# KiCad board keyboard.kicad_pcb (continued)
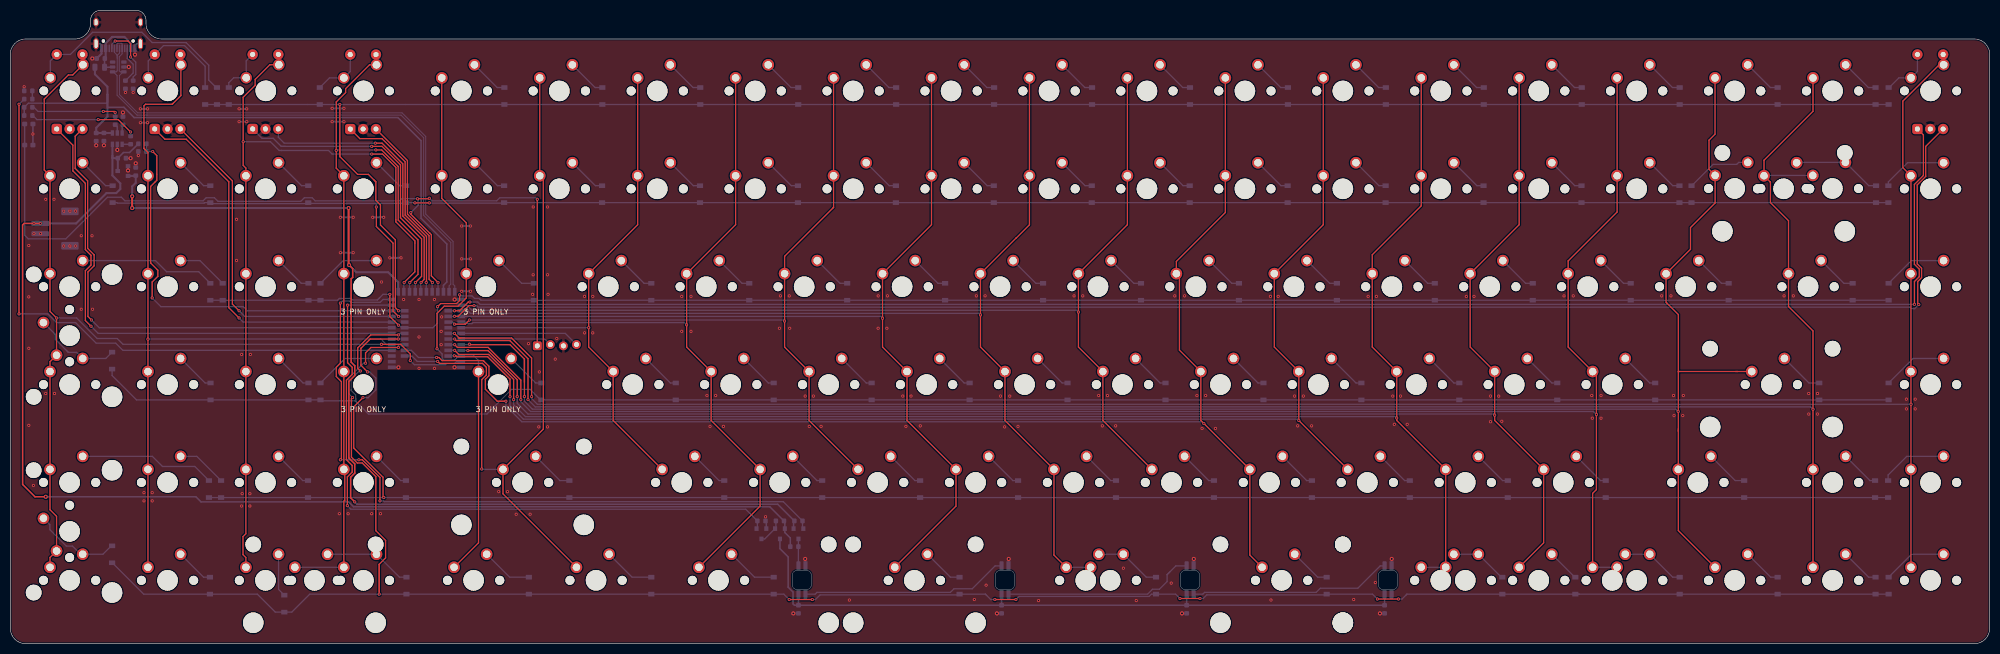
[diagram p0: board, top side]
## Routing (per net, layer and track width the routed paths; a pad name or vN(x,y) marks a point on that pad's centre or on a via; arc(x,y) is an arc through that point) (continued)
Net-(D_28-Pad2): length 7.6
  Bottom w0.25: D_28.2 170.94,89.15 K_28.2
Net-(D_29-Pad2): length 7.6
  Bottom w0.25: D_29.2 190,89.15 K_29.2
Net-(D_30-Pad2): length 7.6
  Bottom w0.25: K_30.2 209.05,89.15 D_30.2
Net-(D_31-Pad2): length 7.6
  Bottom w0.25: K_31.2 228.1,89.15 D_31.2
Net-(D_32-Pad2): length 7.6
  Bottom w0.25: D_32.2 247.14,89.15 K_32.2
Net-(D_33-Pad2): length 7.6
  Bottom w0.25: D_33.2 266.19,89.15 K_33.2
Net-(D_34-Pad2): length 7.6
  Bottom w0.25: D_34.2 285.25,89.15 K_34.2
Net-(D_35-Pad2): length 7.6
  Bottom w0.25: D_35.2 304.3,89.15 K_35.2
Net-(D_36-Pad2): length 7.6
  Bottom w0.25: K_36.2 323.35,89.15 D_36.2
Net-(D_37-Pad2): length 18.7
  Bottom w0.25: K_116.2 347.51,93.68 K_37.2 ; K_116.2 357.91,92.71 ; K_116.2 361.47,89.15 D_37.2
Net-(D_38-Pad2): length 13
  Bottom w0.25: K_38.2 369.02,93.62 365.29,89.89 D_38.2
Net-(D_39-Pad2): length 26.7
  Bottom w0.25: D_39.2 36.65,72.4 30.4,72.4 28.23,74.57 K_39.2
Net-(D_40-Pad2): length 17.7
  Bottom w0.25: K_40.2 8.75,60.21 8.75,59.25 11.3,56.7 ; 11.3,56.7 11.05,56.95 ; 11.3,56.7 12.89,56.7 K_59.2 18.57,55.52 D_40.2
Net-(D_41-Pad2): length 10
  Bottom w0.25: K_41.2 36.9,74.57 D_41.2
Net-(D_42-Pad2): length 7.7
  Bottom w0.25: K_42.2 56.59,70.15 D_42.2
Net-(D_43-Pad2): length 12.7
  Bottom w0.25: D_43.2 64.75,74.57 K_43.2
Net-(D_44-Pad2): length 8.6
  Bottom w0.25: D_44.2 99.46,70.15 K_44.2
Net-(D_45-Pad2): length 7.7
  Bottom w0.25: K_45.2 123.27,70.15 D_45.2
Net-(D_46-Pad2): length 7.7
  Bottom w0.25: D_46.2 142.32,70.15 K_46.2
Net-(D_47-Pad2): length 7.7
  Bottom w0.25: D_47.2 161.37,70.15 K_47.2
Net-(D_48-Pad2): length 7.7
  Bottom w0.25: D_48.2 180.42,70.15 K_48.2
Net-(D_49-Pad2): length 7.7
  Bottom w0.25: D_49.2 199.47,70.15 K_49.2
Net-(D_50-Pad2): length 7.7
  Bottom w0.25: K_50.2 218.52,70.15 D_50.2
Net-(D_51-Pad2): length 7.7
  Bottom w0.25: D_51.2 237.57,70.15 K_51.2
Net-(D_52-Pad2): length 7.7
  Bottom w0.25: D_52.2 256.62,70.15 K_52.2
Net-(D_53-Pad2): length 7.7
  Bottom w0.25: K_53.2 275.67,70.15 D_53.2
Net-(D_54-Pad2): length 7.7
  Bottom w0.25: D_54.2 294.72,70.15 K_54.2
Net-(D_55-Pad2): length 7.7
  Bottom w0.25: K_55.2 313.77,70.15 D_55.2
Net-(D_56-Pad2): length 7.7
  Bottom w0.25: D_56.2 332.82,70.15 K_56.2
Net-(D_57-Pad2): length 8
  Bottom w0.25: K_57.2 356.63,70.15 D_57.2
Net-(D_58-Pad2): length 12.5
  Bottom w0.25: K_58.2 369.75,74.57 D_58.2
Net-(D_59-Pad2): length 12.8
  Bottom w0.25: D_59.2 327.05,89.15 331.2,93.3 335.8,93.3 336.18,93.68 K_117.2
Net-(D_60-Pad2): length 7.8
  Bottom w0.25: D_60.2 37.9,50.75 K_60.2
Net-(D_61-Pad2): length 7.8
  Bottom w0.25: K_61.2 56.94,50.75 D_61.2
Net-(D_62-Pad2): length 12.9
  Bottom w0.25: D_62.2 65.1,55.52 K_62.2
Net-(D_63-Pad2): length 7.9
  Bottom w0.25: D_63.2 102.19,50.75 K_63.2
Net-(D_64-Pad2): length 7.8
  Bottom w0.25: D_64.2 128.38,50.75 123.62,55.52
Net-(D_65-Pad2): length 7.8
  Bottom w0.25: K_65.2 147.43,50.75 D_65.2
Net-(D_66-Pad2): length 7.8
  Bottom w0.25: 161.71,55.52 166.48,50.75 D_66.2
Net-(D_67-Pad2): length 7.8
  Bottom w0.25: 180.76,55.52 185.53,50.75 D_67.2
Net-(D_68-Pad2): length 7.8
  Bottom w0.25: K_68.2 204.58,50.75 D_68.2
Net-(D_69-Pad2): length 7.8
  Bottom w0.25: K_69.2 223.63,50.75 D_69.2
Net-(D_70-Pad2): length 7.8
  Bottom w0.25: K_70.2 242.68,50.75 D_70.2
Net-(D_71-Pad2): length 7.8
  Bottom w0.25: 256.96,55.52 261.73,50.75 D_71.2
Net-(D_72-Pad2): length 7.8
  Bottom w0.25: D_72.2 280.78,50.75 K_72.2
Net-(D_73-Pad2): length 7.8
  Bottom w0.25: D_73.2 299.83,50.75 K_73.2
Net-(D_74-Pad2): length 7.8
  Bottom w0.25: K_74.2 318.88,50.75 D_74.2
Net-(D_75-Pad2): length 8.7
  Bottom w0.25: K_75.2 349.84,50.75 D_75.2
Net-(D_76-Pad2): length 12.7
  Bottom w0.25: D_76.2 370.11,55.52 K_76.2
Net-(D_77-Pad2): length 26.5
  Bottom w0.25: K_77.2 27.63,36.47 29.6,34.5 35.89,34.5 D_77.2
Net-(D_78-Pad2): length 17.5
  Bottom w0.25: D_78.2 19.65,19.05 18.02,17.42 K_96.2 13.68,17.42 12.1,19 10.9,19 7.7,22.2 7.7,23.16 K_78.2
Net-(D_79-Pad2): length 9.8
  Bottom w0.25: D_79.2 36.28,36.47 K_79.2
Net-(D_80-Pad2): length 7.7
  Bottom w0.25: K_80.2 56.9,31.75 D_80.2
Net-(D_81-Pad2): length 7.7
  Bottom w0.25: K_81.2 75.94,31.75 D_81.2
Net-(D_82-Pad2): length 8.5
  Bottom w0.25: K_82.2 106.9,31.75 D_82.2
Net-(D_83-Pad2): length 7.7
  Bottom w0.25: K_83.2 137.86,31.75 D_83.2
Net-(D_84-Pad2): length 7.7
  Bottom w0.25: D_84.2 156.91,31.75 K_84.2
Net-(D_85-Pad2): length 7.7
  Bottom w0.25: K_85.2 175.96,31.75 D_85.2
Net-(D_86-Pad2): length 7.7
  Bottom w0.25: D_86.2 195.01,31.75 K_86.2
Net-(D_87-Pad2): length 7.7
  Bottom w0.25: D_87.2 214.06,31.75 K_87.2
Net-(D_88-Pad2): length 7.7
  Bottom w0.25: K_88.2 233.11,31.75 D_88.2
Net-(D_89-Pad2): length 7.7
  Bottom w0.25: D_89.2 252.16,31.75 K_89.2
Net-(D_90-Pad2): length 7.7
  Bottom w0.25: D_90.2 271.21,31.75 K_90.2
Net-(D_91-Pad2): length 7.7
  Bottom w0.25: K_91.2 290.26,31.75 D_91.2
Net-(D_92-Pad2): length 7.7
  Bottom w0.25: D_92.2 309.31,31.75 K_92.2
Net-(D_93-Pad2): length 8.4
  Bottom w0.25: K_93.2 335.5,31.75 D_93.2
Net-(D_94-Pad2): length 7.7
  Bottom w0.25: K_94.2 361.69,31.75 D_94.2
Net-(D_95-Pad2): length 13.4
  Bottom w0.25: D_95.2 365.24,32.84 368.87,36.47 K_95.2
Net-(D_97-Pad2): length 7.6
  Bottom w0.25: K_97.2 37.59,12.95 D_97.2
Net-(D_98-Pad2): length 17.2
  Bottom w0.25: K_98.2 K_109.2 75.69,12.95 D_98.2
Net-(D_99-Pad2): length 10.1
  Bottom w0.25: D_99.2 97.13,12.95 K_99.2
Net-(D_100-Pad2): length 10.1
  Bottom w0.25: D_100.2 120.94,12.95 K_100.2
Net-(D_101-Pad2): length 10.1
  Bottom w0.25: K_101.2 144.75,12.95 D_101.2
Net-(D_102-Pad2): length 13
  Bottom w0.25: K_102.2 K_111.2 220.95,12.95 D_102.2
Net-(D_103-Pad2): length 11.3
  Bottom w0.25: K_113.2 K_103.2 290.01,12.95 D_103.2
Net-(D_104-Pad2): length 12.4
  Bottom w0.25: D_104.2 323.35,12.95 K_115.2 K_104.2
Net-(D_105-Pad2): length 7.7
  Bottom w0.25: D_105.2 342.39,12.95 K_105.2
Net-(D_106-Pad2): length 7.7
  Bottom w0.25: K_106.2 361.44,12.95 D_106.2
Net-(D_107-Pad2): length 12.5
  Bottom w0.25: K_107.2 369.81,17.42 D_107.2
Net-(D_108-Pad2): length 8.4
  Bottom w0.25: D_108.2 52.18,10.57 K_108.2
Net-(D_110-Pad2): length 8.1
  Bottom w0.25: D_110.2 182.85,12.95 K_110.2
Net-(D_112-Pad2): length 8.1
  Bottom w0.25: K_112.2 254.29,12.95 D_112.2
Net-(D_114-Pad2): length 6.4
  Bottom w0.25: D_114.2 304.3,12.95 K_114.2
Net-(J1-PadA5): length 12.8
  Top w0.25: v1(20.4,117.3) 22.9,117.3 23.4,116.8 v1(23.4,114.2)
  Bottom w0.25: v1(23.4,114.2) 24.4,113.2 24.4,110.8 23.9,110.3 R5.2 ; J1.A5 19.75,116.67 20.38,117.3 v1(20.4,117.3)
Net-(J1-PadB5): length 7.4
  Bottom w0.25: R6.1 23.9,111.09 23.9,112.78 22.75,113.93 J1.B5
Net-(Q1-Pad1): length 5
  Bottom w0.25: Q2.3 146.75,20.4 Q1.1 148.91,22.56 R9.1
Net-(R3-Pad2): length 1.7
  Bottom w0.3: R3.2 21.76,100.86 U1.6
Net-(R4-Pad1): length 1.8
  Bottom w0.3: U1.5 20.81,100.61 R4.1
Net-(R11-Pad1): length 1.7
  Bottom w0.3: R11.1 23.4,97.2 U1.1

## Copper pours and planes (outline as drawn; the poured copper is in the pictures)
GND on Top, Bottom: 385.2,-0.15 -0.1,0.1 -0.1,117.93 13,117.92 16.4,123.9 25.6,123.9 29,117.9 385.2,117.67

## Text on the board
B.Silkscreen: JLCJLCJLC | nRST | SWDIO | GND | SWDCLK | USER | CHARGE | STANDBY | RESET | Don't poke the battery! | Warning: 5G Radiator! | +
